# Altium PCB 400432.PcbDoc (part 2 of 6)
Units mil, origin at the board's own origin, x right, y up, seen from the top; angles counter-clockwise.
Board outline 5375 x 2500 mil, 4 copper layers (Top Layer, Mid-Layer 1, Mid-Layer 2, Bottom Layer), stack 59.252 mil thick; 366 components, 253 nets, 1494 pads, 1929 vias.
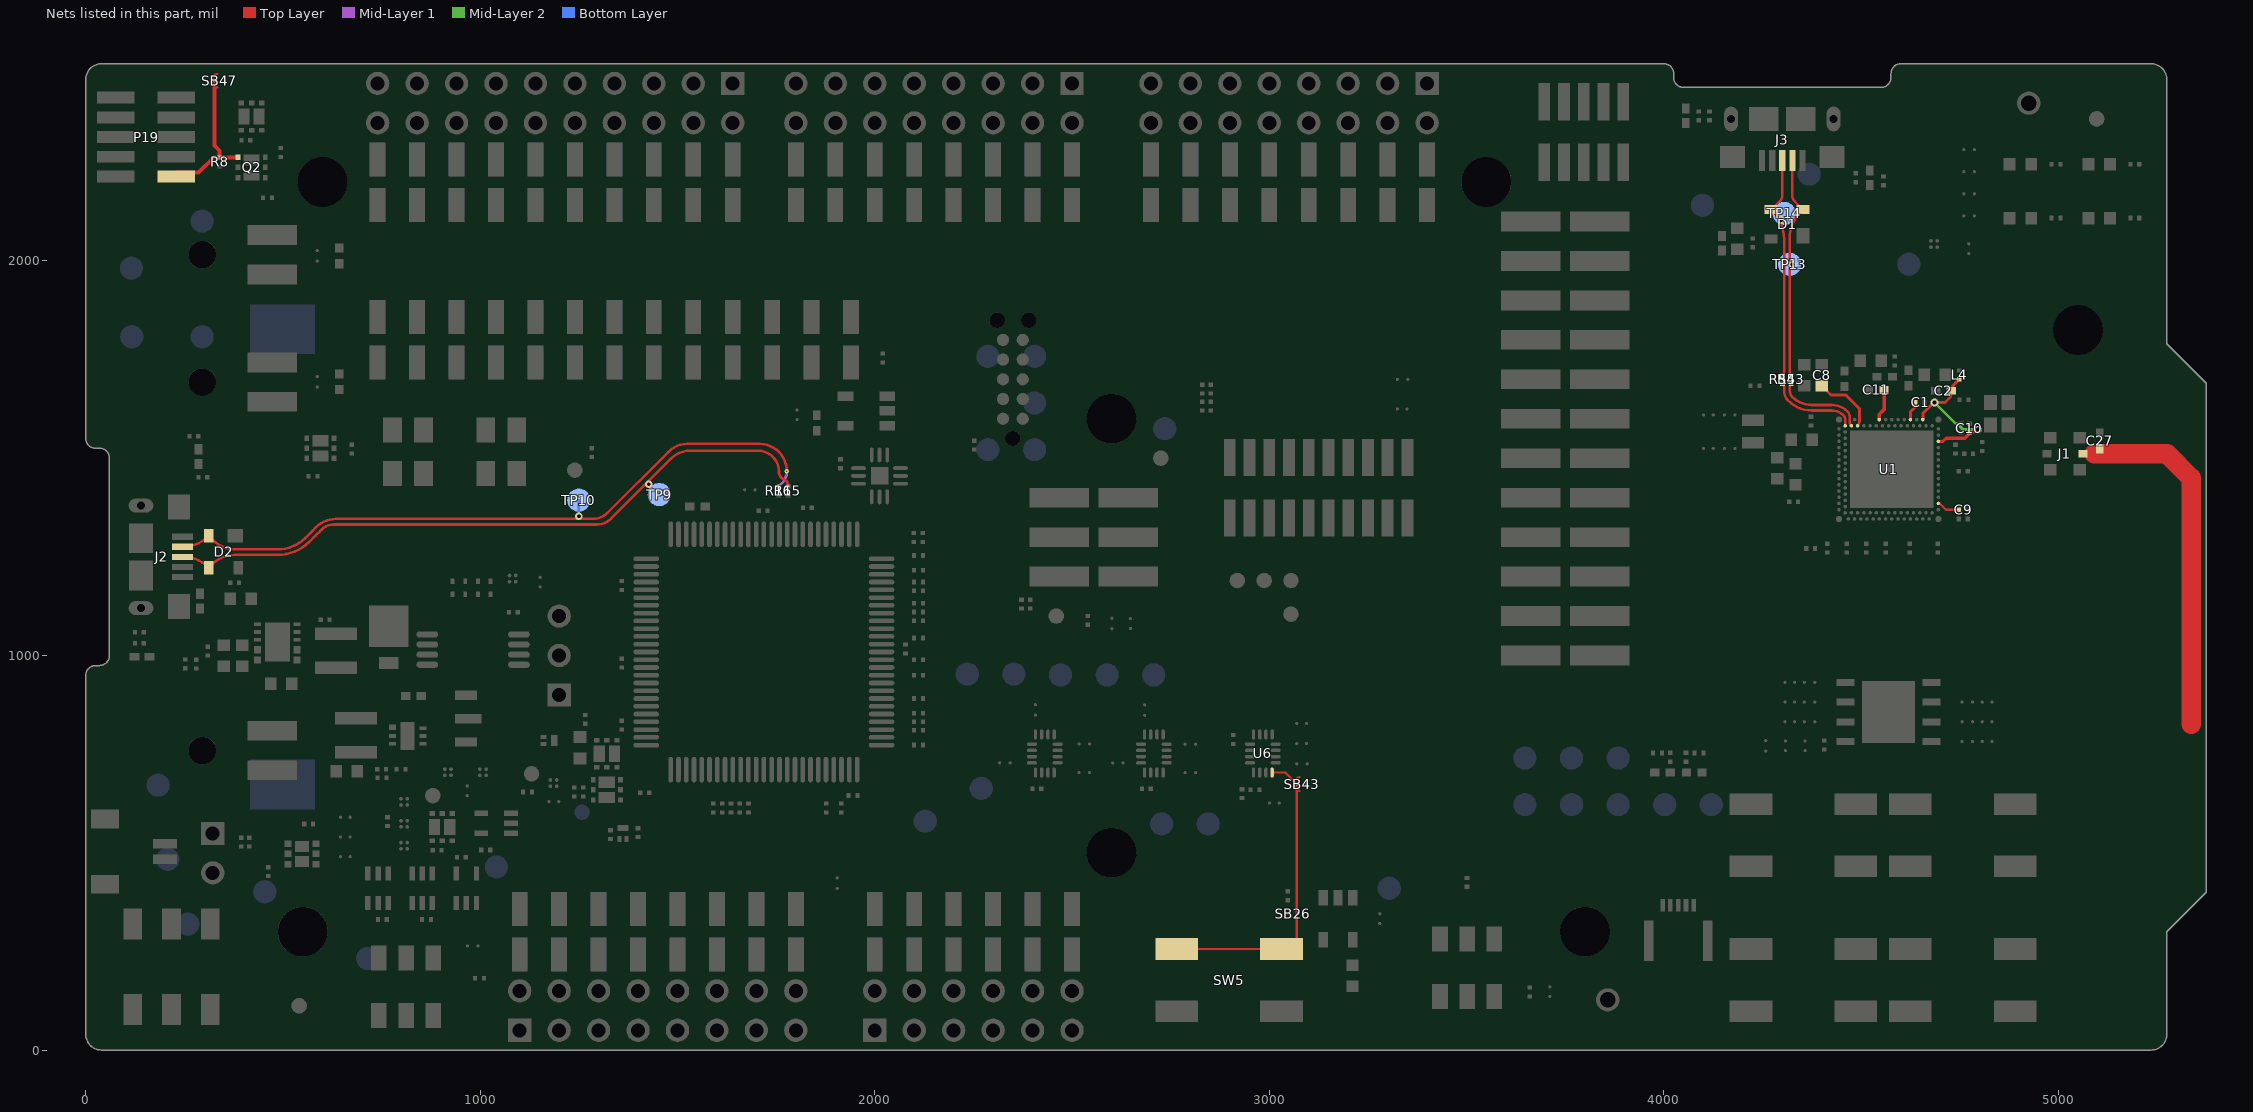
[diagram p4: the nets of this part, all layers, seen from the top]

## Footprints (in the part's own frame and the unit in brackets; to place one, negate y for a bottom-side part, rotate by r counter-clockwise, add the part's x,y. Pads: shape width x height; smd on the part's side, far side on the other; paste and mask are expansions set on the pad) (continued)
USP-6C [mm] "DFN, 6-Leads, Body 2.00x1.80mm, Pitch 0.50mm, Thermal Pad 1.00x1.40mm, IPC Medium Density"
  rect 0.45x0.35 smd paste-0.05: 1(-0.975,0.55)
  rect 0.45x0.25 smd paste-0.05: 2(-0.975,0) 3(-0.975,-0.5) 4(0.975,-0.5) 5(0.975,0) 6(0.975,0.5)
  rect 0.9x1.8 smd paste-2: 7(0,0)
  Top Layer region: -0.5,-0.8 0.5,-0.8 0.5,0.8 -0.5,0.8
  silkscreen extent -1.42,-1.07 0.97,1.12, body extent -0.93,-1.02 0.93,1.02, height 0.6
XQFN40P180X260X50-16N [mm] "QFN, 16-Leads, Body 1.80x2.60mm, Pitch 0.40mm, IPC Medium Density"
  oval 0.65x0.22 smd paste-0.02 mask+0.04: 1(-0.825,0.6) 2(-0.825,0.2) 3(-0.825,-0.2) 4(-0.825,-0.6) 9(0.825,-0.6) 10(0.825,-0.2) 11(0.825,0.2) 12(0.825,0.6)
  oval 0.22x0.65 smd paste-0.02 mask+0.04: 5(-0.6,-1.225) 6(-0.2,-1.225) 7(0.2,-1.225) 8(0.6,-1.225) 13(0.6,1.225) 14(0.2,1.225) 15(-0.2,1.225) 16(-0.6,1.225)
  silkscreen extent -1.45,-1.4 1,1.4, body extent -0.91,-1.31 0.91,1.31, height 0.55
XTAL_2012 [mm] "XTAL SMD 2.0 x 1.2 mm"
  rect 0.75x1.4 smd: 1(-0.725,0) 2(0.725,0)
  silkscreen extent -0.24,-0.6 0.24,0.6, body extent -1,-0.61 1,0.61, height 0.6

## Part data
Bat1: library part "Bat Holder Cabcon L-KLS5-CR2032-23-B1", "Bat Holder CR2032 SMD", Manufacturer=Cabcon, Manufacturer Part Number=L-KLS5-CR2032-23-B1, Part number IPS=N.A., Artikkelnr Noca=N.A., ComponentLink1Description=Datasheet, ComponentLink2Description="Supplier link", Footprint Doc=CR2032_HOLDER, LatestRevisionDate=2019-08-28, Note="Bat Holder CR2032", Part Number="Bat Holder Cabcon L-KLS5-CR2032-23-B1", Pin Count=2, Published=2019-08-28, Publisher="Nordic Semiconductor", Supplier 1=Cabcon, Supplier 2=Mouser, Supplier Part Number 1=L-KLS5-CR2032-23-B1, Supplier Part Number 2=614-SMTU2032-LF
C1 C13 C14 C16 C19 C21 C23 C24 C25 C30 C32 C33 C34 C35 C36 C37 C38 C39 C41 C42 C45 C46 C48 C50 C52 C54 C55 C56 C65 C68 C69 C70 C71: library part C0201-100n, "Capacitor, X5R, ±10%", Part number IPS=00000001248, Artikkelnr Noca=N.A., ComponentLink1Description=Datasheet, ComponentLink2Description="Supplier link", Footprint Doc=0201, LatestRevisionDate=2017-11-09, Note=16V, Part Number=C0201-100n, Pin Count=2, Published=2014-11-13, Publisher="Nordic Semiconductor"
  C48 C52 C55: Assembly=N.C.
C2 C3 C4 C11 C66: library part C0402-1µ0, "Capacitor, X5R, ±5%", Part number IPS=00000007786, Supplier Part Number 1=1276-1444-1-ND, Artikkelnr Noca=20039235, ComponentLink1Description=Datasheet, ComponentLink2Description="Supplier link", Footprint Doc=0402, LatestRevisionDate=2016-08-22, Note=6.3V, Part Number=C0402-1µ0, Pin Count=2, Published=2009-05-08, Publisher="Nordic Semiconductor", Supplier 1=Digi-Key
C5: library part C0402-1µ0, "Capacitor, X5R, ±5%, 6.3V", Part number IPS=00000007786, Supplier Part Number 1=1276-1444-1-ND, Artikkelnr Noca=20039235, ComponentLink1Description=Datasheet, ComponentLink2Description="Supplier link", Footprint Doc=0402, LatestRevisionDate=2016-08-22, Note=6.3V, Part Number=C0402-1µ0, Pin Count=2, Published=2009-05-08, Publisher="Nordic Semiconductor", Supplier 1=Digi-Key
C6: library part C0603-2µ2, "Capacitor, X7R, ±10%", Part number IPS=N.A., Artikkelnr Noca=20039322, ComponentLink1Description=Datasheet, ComponentLink2Description="Supplier link", Footprint Doc=0603, LatestRevisionDate=2016-10-10, Note=6.3V, Part Number=C0603-2µ2, Pin Count=2, Published=2009-05-08, Publisher="Nordic Semiconductor"
C7 C8 C26: library part C0603-4µ7-10V-X7S, "Capacitor, X7S, ±10%", Part number IPS=N.A., Supplier Part Number 1=445-14258-1-ND, Artikkelnr Noca=20030013, ComponentLink1Description=Datasheet, ComponentLink2Description="Supplier link", Footprint Doc=0603, LatestRevisionDate=2016-08-15, Note=10V, Part Number=C0603-4µ7-10V-X7S, Pin Count=2, Published=2016-08-15, Publisher="Nordic Semiconductor", Supplier 1=Digi-Key
C9: library part C0201-820p, "Capacitor, X7R, ±10%", Part number IPS=00000001249, Artikkelnr Noca=N.A., ComponentLink1Description=Datasheet, ComponentLink2Description="Supplier link", Footprint Doc=0201, LatestRevisionDate=2017-11-09, Note=25V, Part Number=C0201-820p, Pin Count=2, Published=2014-11-13, Publisher="Nordic Semiconductor"
C10: library part C0201-100p, "Capacitor, NP0, ±2%", Part number IPS=00000007853, Artikkelnr Noca=N.A., ComponentLink1Description=Datasheet, ComponentLink2Description="Supplier link", Footprint Doc=0201, LatestRevisionDate=2017-11-09, Note=25V, Part Number=C0201-100p, Pin Count=2, Published=2014-11-13, Publisher="Nordic Semiconductor"
C12: library part C0201-0.7p, "Capacitor, NP0, ±0.05pF", Part number IPS=N.A., Artikkelnr Noca=N.A., Assembly=N.C., ComponentLink1Description=Datasheet, ComponentLink2Description="Supplier link", Footprint Doc=0201, LatestRevisionDate=2018-10-22, Note=50V, Part Number=C0201-0.7p, Pin Count=2, Published=2014-11-13, Publisher="Nordic Semiconductor"
C15 C17 C18 C20 C22 C28 C29 C72: library part C0201-N.C., "Not mounted", Part number IPS=N.A., Artikkelnr Noca=N.A., Assembly="Not mounted", ComponentLink1Description=Datasheet, ComponentLink2Description="Supplier link", Footprint Doc=0201, LatestRevisionDate=2014-11-13, Note="Chip Cap", Part Number=C0201-N.C., Pin Count=2, Published=2014-11-13, Publisher="Nordic Semiconductor"
C27: library part C0402-1.2p, "Capacitor, NP0, ±0.1pF", Part number IPS=00000005410, Artikkelnr Noca=20029157, Artikkelnr Simpro=N.A., Footprint Doc=0402, LatestRevisionDate=2011-05-11, Note=50V, Part Number=C0402-1.2p, Pin Count=2, Published=2009-05-08, Publisher="Nordic Semiconductor"
C31 C61: library part C0402-4µ7-10V-X5R, "CAP CER 4.7UF 10V X5R 0402", Manufacturer=Murata, Manufacturer Part Number=GRM155R61A475MEAAD, Part number IPS=N.A., Supplier Part Number 1=490-14306-1-ND, Artikkelnr Noca=N.A., ComponentLink1Description=Datasheet, ComponentLink1URL=http://search.murata.co.jp/Ceramy/image/img/A01X/G101/ENG/GRM155R61A475MEAA-01.pdf, ComponentLink2Description="Supplier link - Digikey", ComponentLink2URL=https://www.digikey.com/product-detail/en/murata-electronics-north-america/GRM155R61A475MEAAD/490-14306-1-ND/6234742, Footprint Doc=0402, HelpURL=https://psearch.en.murata.com/capacitor/product/GRM155R61A475MEAA%23.html, LatestRevisionDate=2018-10-04, Note=10V, Part Number=C0402-4µ7-10V-X5R, Pin Count=2, Published=2018-10-04, Publisher="Nordic Semiconductor", Supplier 1=Digi-Key
C40 C47 C49: library part C0201-10n, "Capacitor, X7R, ±10%", Part number IPS=00000003480, Artikkelnr Noca=N.A., ComponentLink1Description=Datasheet, ComponentLink2Description="Supplier link", Footprint Doc=0201, LatestRevisionDate=2017-11-09, Note=10V, Part Number=C0201-10n, Pin Count=2, Published=2014-11-13, Publisher="Nordic Semiconductor"
  C47: Assembly=N.C.
C43 C44: library part C0402-300p, "Capacitor, NP0, ±5%", Part number IPS=N.A., Supplier Part Number 1=490-3234-1-ND, Artikkelnr Noca=20020004, ComponentLink1Description=Datasheet, ComponentLink2Description="Supplier link", Footprint Doc=0402, LatestRevisionDate=2016-08-25, Note=50V, Part Number=C0402-300p, Pin Count=2, Published=2015-05-29, Publisher="Nordic Semiconductor", Supplier 1=Digi-Key
C51: library part C0603-10µ, "Capacitor, X5R, ±20%", Part number IPS=00000007785, Artikkelnr Noca=20039234, Assembly=N.C., ComponentLink1Description=Datasheet, ComponentLink2Description="Supplier link", Footprint Doc=0603, LatestRevisionDate=2011-01-17, Note=6.3V, Part Number=C0603-10µ, Pin Count=2, Published=2011-01-17, Publisher="Nordic Semiconductor"
C53 C57 C59 C60 C63: library part C0603-10µF-25V, "Capacitor, 0603, 25V, X5R", Part number IPS=N.A., Artikkelnr Noca=20039436, ComponentLink1Description=Datasheet, ComponentLink2Description="Supplier link", Footprint Doc=0603, LatestRevisionDate=2015-02-25, Note=25V, Part Number=C0603-10µF-25V, Pin Count=2, Published=2015-02-25, Publisher="Nordic Semiconductor"
C58: library part C0201-15p, "Chip Cap 0201", Part number IPS=N.A., Artikkelnr Noca=N.A., ComponentLink1Description=Datasheet, ComponentLink2Description="Supplier link", Footprint Doc=0201, LatestRevisionDate=2014-11-13, Note="Chip Cap 1%", Part Number=C0201-15p, Pin Count=2, Published=2014-11-13, Publisher="Nordic Semiconductor"
C62: library part C0201-150p, "Chip Cap 0201", Part number IPS=N.A., Artikkelnr Noca=N.A., ComponentLink1Description=Datasheet, ComponentLink2Description="Supplier link", Footprint Doc=0201, LatestRevisionDate=2014-11-13, Note="Chip Cap 1%", Part Number=C0201-150p, Pin Count=2, Published=2014-11-13, Publisher="Nordic Semiconductor"
C64: library part C0201-470n, "Chip Cap 0201", Part number IPS=N.A., Artikkelnr Noca=N.A., ComponentLink1Description=Datasheet, ComponentLink2Description="Supplier link", Footprint Doc=0201, LatestRevisionDate=2014-11-13, Note="Chip Cap 1%", Part Number=C0201-470n, Pin Count=2, Published=2014-11-13, Publisher="Nordic Semiconductor"
C67: library part C0603-1µ0, "Capacitor, X7R, ±10%", Part number IPS=00000000616, Artikkelnr Noca=20039282, ComponentLink1Description=Datasheet, ComponentLink2Description="Supplier link", Footprint Doc=0603, LatestRevisionDate=2013-06-05, Note=16V, Part Number=C0603-1µ0, Pin Count=2, Published=2009-05-08, Publisher="Nordic Semiconductor"
D1 D2: "Ultra low capacitance double rail-to-rail ESD protection diode", Manufacturer=NXP, Part number IPS=00000009951, Supplier Part Number 1=568-4140-1-ND, Artikkelnr Noca=10069015, ComponentLink1Description=Datasheet, ComponentLink2Description="Supplier link", Footprint Doc=SOT-143B, HelpURL=http://www.farnell.com/datasheets/109718.pdf, LatestRevisionDate=2017-11-09, Manufacturer Part Number=PRTR5V0U2X, Part Number=PRTR5V0U2X, Pin Count=4, Published=2012-06-11, Publisher="Nordic Semiconductor", Supplier 1=Digi-Key, Supplier 2=Farnell, Supplier Part Number 2=152-4157
  D1: Assembly=N.C.
D3 D5 D6 D7: "20V schottky barrier diode, Vf 350 mV @ 100 mA, Ir 2.0 µA @ 10 V, If 500 mA", Manufacturer="ON Semiconductor", Part number IPS=00000009952, Supplier Part Number 1=NSR0620P2T5GOSCT-ND, Artikkelnr Noca=10029169, ComponentLink1Description=Datasheet, ComponentLink2Description="Supplier link", Footprint Doc=SOD-923, HelpURL=http://www.onsemi.com/pub_link/Collateral/NSR0620P2-D.PDF, LatestRevisionDate=2016-07-07, Manufacturer Part Number=NSR0620P2T5G, Part Number=NSR0620P2T5G, Pin Count=2, Published=2016-07-07, Publisher="Nordic Semiconductor", Supplier 1=Digi-Key
D4: "Diode Schottky Vf=0.455V @ 100mA, Vr=10V, If=1000mA, Ir=1µA @ 10V", Manufacturer="ON Semiconductor", Manufacturer Part Number=MBRM110ET1G, Part number IPS=N.A., Supplier Part Number 1=MBRM110ET1GOSTR-ND, Artikkelnr Noca=10029172, ComponentLink1Description=Datasheet, ComponentLink2Description="Supplier link", Footprint Doc=DO-216AA, HelpURL=http://media.digikey.com/pdf/Data%20Sheets/ON%20Semiconductor%20PDFs/MBRM110E-D.pdf, LatestRevisionDate=2016-10-24, Part Number=MBRM110E, Pin Count=2, Published=2016-10-24, Publisher="Nordic Semiconductor", Supplier 1=Digi-Key, Supplier 2=Farnell, Supplier Part Number 2=236-9429
FB1 FB2 FB3 FB4 FB5 FB6: library part FB0402-120R@100M-500mA, "Ferrite Bead, 120 Ohm @ 100MHz, 500mA, 250 mOhm Max", Manufacturer=Murata, Manufacturer Part Number=BLM15AG121SN1D, Part number IPS=00000009954, Supplier Part Number 1=490-1005-1-ND, Artikkelnr Noca=33029317, ComponentLink1Description=Datasheet, ComponentLink2Description="Supplier link", Footprint Doc=0402, HelpURL=http://search.murata.co.jp/Ceramy/image/img/PDF/ENG/L0110S0100BLM15A_SN.pdf, LatestRevisionDate=2014-01-10, Note="Chip EMIFIL Inductor Type Chip Ferrite Bead", Part Number=FB0402-120R@100M-500mA, Pin Count=2, Published=2011-11-14, Publisher="Nordic Semiconductor", Supplier 1=Digi-Key, Supplier 2=Farnell, Supplier Part Number 2=151-5760
  FB1 FB3 FB5: Assembly=N.C.
Fid1 Fid2: library part Fid-Mark, "Fiducial Mark", Part number IPS=N.A., Artikkelnr Noca=N.A., ComponentLink1Description=Datasheet, ComponentLink2Description="Supplier link", Footprint Doc=Fiducial, LatestRevisionDate=2009-12-12, Part Number=Fid-Mark, Pin Count=1, Published=2009-12-12, Publisher="Nordic Semiconductor"
J1: "Coaxial Connector with Switch", 2nd source part number=81-MM8130-2600RA2, Manufacturer=Murata, Supplier part number=490-4981-1-ND, 2nd source Supplier=Mouser, Artikkelnr Noca=55029011, Artikkelnr Simpro=N.A., Datasheet=http://www.murata.com/products/catalog/pdf/o33e.pdf, Footprint Doc=COAXIAL-SWF, LatestRevisionDate=2014-04-24, Manufacturer Part Number=MM8130-2600, Part Number=MM8130-2600, Pin Count=3, Published=2014-04-24, Publisher="Nordic Semiconductor", Supplier=Digi-Key
J2 J3: library part USB-Micro-B-RA-SMD-PiP, "MicroUSB-B-SMT", Manufacturer="Allen Creations Corp.", Manufacturer Part Number=AJU55-BS2111-L, Part number IPS=00000007790, Artikkelnr Noca=55029020, ComponentLink1Description=Datasheet, ComponentLink2Description="Supplier link", Footprint Doc=USB-Micro-B-RA-SMD-PiP, HelpURL="\\hizz\pro\app9717\Datasheet\connectores\Allen Creations Corp\AJU-211.pdf", LatestRevisionDate=2016-04-21, Part Number=USB-Micro-B-RA-SMD-PiP, Pin Count=5, Published=2014-10-07, Publisher="Nordic Semiconductor", Supplier 1=Cabcon, Supplier 2=Digi-Key, Supplier Part Number 1=AJU55-BS2111-L, Supplier Part Number 2=609-4616-1-ND
  J3: Assembly=N.C.
J4: library part TC2050-IDC-NLFP, "CBL PLUG-OF-NAILS 10-PIN", Manufacturer="Tag-Connect LLC", Part number IPS=N.A., Supplier Part Number 1=TC2050-IDC-NL-ND, Artikkelnr Noca=N.A., Assembly="Not mounted", ComponentLink1Description=Datasheet, ComponentLink2Description="Supplier link", Footprint Doc=TC2050-IDC-NLFP, HelpURL=http://www.tag-connect.com/Materials/TC2050-IDC%20Datasheet.pdf, LatestRevisionDate=2012-11-21, Manufacturer Part Number=TC2050-IDC-NLFP, Part Number=TC2050-IDC-NLFP, Pin Count=10, Published=2012-11-21, Publisher="Nordic Semiconductor", Supplier 1=Digi-Key
J5: library part FPC_05P-0.5mm-RA-SMD, "0.5mm FPC, 5P,Right Angle SMT,Double Contact,H=1.2mm,White, Tin plated", Manufacturer=W-CON, Manufacturer Part Number=5141-05RZDNWR01, Part number IPS=00000007792, Artikkelnr Noca=55010020, ComponentLink1Description=Datasheet, ComponentLink2Description="Supplier link", Footprint Doc=FPC_05P-0.5mm-RA-SMD, HelpURL=\\hizz\pro\app9717\Datasheet\connectores\W-CON\5141-XXRZDNXX0X.pdf, LatestRevisionDate=2016-04-21, Part Number=FPC_05P-0.5mm-RA-SMD, Pin Count=7, Published=2015-06-22, Publisher="Nordic Semiconductor", Supplier 1=Cabcon, Supplier 2=Digi-Key, Supplier Part Number 1=5141-05RZDNWR01, Supplier Part Number 2=WM9836CT-ND
J6: library part SM02B-SRSS-TB, "1.0mm pitch connector side entry SMD", Manufacturer=JST, Manufacturer Part Number=SM02B-SRSS-TB(LF)(SN), Part number IPS=00000007791, Supplier Part Number 1=455-1802-1-ND, Artikkelnr Noca=55010030, ComponentLink1Description=Datasheet, ComponentLink2Description="Supplier link", Footprint Doc=SM02B-SRSS-TB, HelpURL=http://www.jst-mfg.com/product/pdf/eng/eSH.pdf, LatestRevisionDate=2016-06-20, Note="JST, Header", Part Number=SM02B-SRSS-TB, Pin Count=2, Published=2016-06-20, Publisher="Nordic Semiconductor", Supplier 1=Digi-Key
L1 L3 L5: library part L0603-10µ-TDK, "Inductor, 250mA, ±20%, 1.05ohm. -55°C ~ 125°C", Manufacturer=TDK, Manufacturer Part Number=MLZ1608M100WTD25, Supplier Part Number 1=445-175588-1-ND, ComponentLink1Description=Datasheet, ComponentLink2Description="Supplier link", Footprint Doc=0603, HelpURL=https://product.tdk.com/info/en/catalog/datasheets/inductor_automotive_decoupling_mlz1608_en.pdf, LatestRevisionDate=2012-09-19, Part Number=L0603-10µ-TDK, Pin Count=2, Published=2019-05-06, Publisher="Nordic Semiconductor", Supplier 1=Digi-Key, Supplier 2=Mouser, Supplier Part Number 2=810-MLZ1608M100WTD25
L2 L4: library part L0201-15n, "Inductor, 250mA, ±5%", Manufacturer=Murata, Manufacturer Part Number=LQP03TN15NJ02D, Part number IPS=N.A., Supplier Part Number 1=490-5570-1-ND, Artikkelnr Noca=N.A., ComponentLink1Description=Datasheet, ComponentLink1URL=http://search.murata.co.jp/Ceramy/image/img/P02/JELF243C-0015.pdf, ComponentLink2Description="Supplier link", Footprint Doc=0201, LatestRevisionDate=2013-04-10, Note="High frequency chip inductor ±10%", Part Number=L0201-15n, Pin Count=2, Published=2013-04-10, Publisher="Nordic Semiconductor", Supplier 1=Digi-Key
L6: library part NR3015-4µ7-1.04A-144mOhm, "Ferrite Inductor, Shielded, 1,04A, 144mOhm", Manufacturer="Taiyo Yuden", Manufacturer Part Number=NR3015T4R7M, Part number IPS=00000009960, Supplier Part Number 1=587-1649-1-ND, Artikkelnr Noca=33029551, ComponentLink1Description=Datasheet, ComponentLink2Description="Supplier link", Footprint Doc=1212, HelpURL=http://www.yuden.co.jp/ut/product/category/inductor/NR3015T4R7M.pdf, LatestRevisionDate=2014-01-22, Part Number=NR3015-4µ7-1.04A-144mOhm, Pin Count=2, Published=2014-01-22, Publisher="Nordic Semiconductor", Supplier 1=Digi-Key, Supplier 2=Mouser, Supplier Part Number 2=963-NR3015T4R7M
L7: library part NR3015-2µ2-1.5A-72mOhm, "Ferrite Inductor, Shielded, 1,5A, 72mOhm", Manufacturer="Taiyo Yuden", Manufacturer Part Number=NR3015T2R2M, Part number IPS=N.A., Supplier Part Number 1=587-1648-1-ND, Artikkelnr Noca=33029487, ComponentLink1Description=Datasheet, ComponentLink2Description="Supplier link", Footprint Doc=1212, HelpURL=http://www.yuden.co.jp/ut/product/category/inductor/NR3015T2R2M.pdf, LatestRevisionDate=2014-01-22, Part Number=NR3015-2µ2-1.5A-72mOhm, Pin Count=2, Published=2014-01-22, Publisher="Nordic Semiconductor", Supplier 1=Digi-Key, Supplier 2=Farnell, Supplier Part Number 2=188-5853
L8 R20 R24 R29 R43 R46 R53 R54: library part R0201-0R, "Resistor, ±5%, 0.05W", Part number IPS=00000003245, Artikkelnr Noca=N.A., ComponentLink1Description=Datasheet, ComponentLink2Description="Supplier link", Footprint Doc=0201, LatestRevisionDate=2017-11-09, Note="Chip Res 5%", Part Number=R0201-0R, Pin Count=2, Published=2014-11-13, Publisher="Nordic Semiconductor"
  R53 R54: Assembly=N.C.
LED1 LED2 LED3 LED4: library part "VS 25C7M5", "LED, Green, 0603, 573nm, Vf=2.0V, 24mcd, - 40 to +85°C", Manufacturer="Victory Electronics", Part number IPS=N.A., Artikkelnr Noca=13019193, ComponentLink1Description=Datasheet, ComponentLink2Description="Supplier link", Footprint Doc=0603, HelpURL="\\hizz\pro\app9717\Datasheet\optoelectronics\Victory Electronics\VS 25C7M5.pdf", LatestRevisionDate=2017-08-21, Manufacturer Part Number="VS 25C7M5", Part Number="VS 25C7M5", Pin Count=2, Published=2017-08-21, Publisher="Nordic Semiconductor", Supplier 1="EC Partner"
LED5: library part "LG L29K Smartled Green", "LED, Green, 0603, 570nm, Vf=1.7V, 2.24..5.6mcd, - 40 to +100°C", Manufacturer=Osram, Manufacturer Part Number="LG L29K-G2J1-24-Z", Part number IPS=N.A., Supplier Part Number 1=475-2709-1-ND, Artikkelnr Noca=13019147, ComponentLink1Description=Datasheet, ComponentLink2Description="Supplier link", Footprint Doc=0603, HelpURL=http://www.osram-os.com/Graphics/XPic2/00077107_0.pdf, LatestRevisionDate=2017-08-21, Note="2.24..5.6 mcd, Vfmin=1.7V", Part Number="LG L29K Smartled Green", Pin Count=2, Published=2014-10-28, Publisher="Nordic Semiconductor", Supplier 1=Digi-Key, Supplier 2=Mouser, Supplier Part Number 2=720-LGL29KG2J124Z
P1 P3 P6: library part "Socket 1x8 SMD", "Socket 1x8, 2.54mm (100mil), SMD", Manufacturer=W-CON, Manufacturer Part Number=2171-108MS0CUNR1, Part number IPS=00000009963, Artikkelnr Noca=55030002, ComponentLink1Description=Datasheet, ComponentLink2Description="Supplier link", Footprint Doc=SOCKET_1x8_SMD, LatestRevisionDate=2017-10-23, Part Number="Socket 1x8 SMD", Pin Count=8, Published=2016-01-22, Publisher="Nordic Semiconductor", Supplier 1=Cabcon, Supplier 2=Samtec, Supplier Part Number 1=2171-108MS0CUNR1, Supplier Part Number 2=SSM-108-F-SV-P-TR
P2: library part "Socket 1x6 SMD", "Socket 1x6, 2.54mm (100mil), SMD", Manufacturer=W-CON, Manufacturer Part Number=2171-106MS0CUNR1, Part number IPS=00000009964, Artikkelnr Noca=55030001, ComponentLink1Description=Datasheet, ComponentLink2Description="Supplier link", Footprint Doc=SOCKET_1x6_SMD, LatestRevisionDate=2017-10-23, Part Number="Socket 1x6 SMD", Pin Count=6, Published=2016-01-22, Publisher="Nordic Semiconductor", Supplier 1=Cabcon, Supplier 2=Samtec, Supplier Part Number 1=2171-106MS0CUNR1, Supplier Part Number 2=SSM-106-F-SV-P-TR
P4: library part "Socket 1x10 SMD", "Socket 1x10, 2.54mm (100mil), SMD", Manufacturer=W-CON, Manufacturer Part Number=2171-110MS0CUNR1, Part number IPS=00000009965, Artikkelnr Noca=55030004, ComponentLink1Description=Datasheet, ComponentLink2Description="Supplier link", Footprint Doc=SOCKET_1x10_SMD, LatestRevisionDate=2016-01-22, Part Number="Socket 1x10 SMD", Pin Count=10, Published=2016-01-22, Publisher="Nordic Semiconductor", Supplier 1=Cabcon, Supplier 2=Samtec, Supplier Part Number 1=2171-110MS0CUNR1, Supplier Part Number 2=SSM-110-F-SV-P-TR
P5: library part "Pin Header 2x3 SMD", "Pin Header 2x3, 2.54mm (100mil) SMD", Manufacturer=W-CON, Manufacturer Part Number=1125-1203S0M116R1, Part number IPS=00000009966, Artikkelnr Noca=55010007, ComponentLink1Description=Datasheet, ComponentLink2Description="Supplier link", Footprint Doc=HDR_2x3-SMD, HelpURL=\\hizz\pro\app9717\Datasheet\connectores\W-CON\1125-12XXXXMXXXXX.PDF, LatestRevisionDate=2016-01-22, Note=SMD, Part Number="Pin Header 2x3 SMD", Pin Count=6, Published=2016-01-22, Publisher="Nordic Semiconductor", Supplier 1=Cabcon, Supplier 2=Samtec, Supplier Part Number 1=1125-1203S0M116R1, Supplier Part Number 2=TSM-103-01-L-DV
P7 P9 P12: library part "Pin List 1x8 SMD, N.C.", "Pin List 1x8, 2.54mm (100mil), SMD", Manufacturer=W-CON, Manufacturer Part Number=1125-1108S0M116R2, Part number IPS=N.A., Artikkelnr Noca=55010006, Assembly="Not mounted", ComponentLink1Description=Datasheet, ComponentLink2Description="Supplier link", Footprint Doc=LIST_1x8_SMD, HelpURL=\\hizz\pro\app9717\Datasheet\connectores\W-CON\1125-11XXXXMXXXXX.pdf, LatestRevisionDate=2016-01-22, Part Number="Pin List 1x8 SMD, N.C.", Pin Count=8, Published=2016-01-22, Publisher="Nordic Semiconductor", Supplier 1=Cabcon, Supplier 2=Samtec, Supplier Part Number 1=1125-1108S0M116R2, Supplier Part Number 2=TSM-108-01-L-SV-P-TR
P8: library part "Pin List 1x6 SMD, N.C.", "Pin List 1x6, 2.54mm (100mil), SMD", Manufacturer=W-CON, Manufacturer Part Number=1125-1106S0M116R2, Part number IPS=N.A., Artikkelnr Noca=55010026, Assembly="Not mounted", ComponentLink1Description=Datasheet, ComponentLink2Description="Supplier link", Footprint Doc=LIST_1x6_SMD, HelpURL=\\hizz\pro\app9717\Datasheet\connectores\W-CON\1125-11XXXXMXXXXX.pdf, LatestRevisionDate=2016-03-29, Part Number="Pin List 1x6 SMD, N.C.", Pin Count=6, Published=2016-03-29, Publisher="Nordic Semiconductor", Supplier 1=Cabcon, Supplier 2=Samtec, Supplier Part Number 1=1125-1106S0M116R2, Supplier Part Number 2=TSM-106-01-L-SV-P-TR
P10: library part "Pin List 1x10 SMD, N.C.", "Pin List 1x10, 2.54mm (100mil), SMD", Manufacturer=W-CON, Manufacturer Part Number=1125-1110S0M116R2, Part number IPS=N.A., Artikkelnr Noca=55010028, Assembly="Not mounted", ComponentLink1Description=Datasheet, ComponentLink2Description="Supplier link", Footprint Doc=LIST_1x10_SMD, HelpURL=\\hizz\pro\app9717\Datasheet\connectores\W-CON\1125-11XXXXMXXXXX.pdf, LatestRevisionDate=2016-03-29, Part Number="Pin List 1x10 SMD, N.C.", Pin Count=10, Published=2016-03-29, Publisher="Nordic Semiconductor", Supplier 1=Cabcon, Supplier 2=Samtec, Supplier Part Number 1=1125-1110S0M116R2, Supplier Part Number 2=TSM-110-01-L-SV-P-TR
P11: library part "Socket 2x3 SMD Bottom, N.C.", "Socket 2x3, 2.54mm (100mil), SMD", Manufacturer=W-CON, Manufacturer Part Number=2171-203MS0CUNR1, Part number IPS=N.A., Artikkelnr Noca=55030010, Assembly="Not mounted", ComponentLink1Description=Datasheet, ComponentLink2Description="Supplier link", Footprint Doc=SOCKET_2x3_SMD-2.54mm-bottom, HelpURL=\\hizz\pro\app9717\Datasheet\connectores\W-CON\2171-2XXMXXCUNXX.pdf, LatestRevisionDate=2016-03-29, Part Number="Socket 2x3 SMD Bottom, N.C.", Pin Count=6, Published=2014-06-10, Publisher="Nordic Semiconductor", Supplier 1=Cabcon, Supplier 2=Samtec, Supplier Part Number 1=2171-203MS0CUNR1, Supplier Part Number 2=SSM-103-F-DV-P-TR
P13 P15 P17: library part "Pin Header 2x8, N.C.", "Pin Header 2x8, 2.54mm (100mil)", Part number IPS=N.A., Artikkelnr Noca=N.A., Assembly="Not mounted", ComponentLink1Description=Datasheet, ComponentLink2Description="Supplier link", Footprint Doc=HDR_2x8, LatestRevisionDate=2009-12-12, Part Number="Pin Header 2x8, N.C.", Pin Count=16, Published=2009-12-12, Publisher="Nordic Semiconductor"
P14: library part "Pin Header 2x6, N.C.", "Pin Header 2x6, 2.54mm (100mil)", Part number IPS=N.A., Artikkelnr Noca=N.A., Assembly="Not mounted", ComponentLink1Description=Datasheet, ComponentLink2Description="Supplier link", Footprint Doc=HDR_2x6, LatestRevisionDate=2014-07-04, Part Number="Pin Header 2x6, N.C.", Pin Count=12, Published=2009-12-12, Publisher="Nordic Semiconductor"
P16: library part "Pin Header 2x10, N.C.", "Pin Header 2x10, 2.54mm (100mil)", Part number IPS=N.A., Artikkelnr Noca=N.A., Assembly="Not mounted", ComponentLink1Description=Datasheet, ComponentLink2Description="Supplier link", Footprint Doc=HDR_2x10, LatestRevisionDate=2017-02-02, Part Number="Pin Header 2x10, N.C.", Pin Count=20, Published=2017-01-30, Publisher="Nordic Semiconductor"
P18 P19: library part "Pin Header 2x5 SMD, 1.27mm, KS", "Pin Header 2x5, 1.27mm (50mil), SMD, Keying Shroud", Manufacturer=W-CON, Manufacturer Part Number=3132-10MS0BK00R1, Part number IPS=00000009968, Artikkelnr Noca=55010009, ComponentLink1Description=Datasheet, ComponentLink2Description="Supplier link", Footprint Doc=HDR_2x5-SMD-1.27mm, HelpURL=\\hizz\pro\app9717\Datasheet\connectores\W-CON\3132-XXMXXBK00XX.pdf, LatestRevisionDate=2016-04-21, Part Number="Pin Header 2x5 SMD, 1.27mm, KS", Pin Count=10, Published=2016-01-22, Publisher="Nordic Semiconductor", Supplier 1=Cabcon, Supplier 2=Samtec, Supplier Part Number 1=3132-10MS0BK00R1, Supplier Part Number 2=FTSH-105-01-F-DV-K
P20: library part "Pin List 1x13 SMD", "Pin List 1x13, 2.54mm (100mil), SMD", Part number IPS=N.A., Supplier Part Number 1=TSM-113-01-L-SV-P-TR, Artikkelnr Noca=N.A., ComponentLink1Description=Datasheet, ComponentLink2Description="Supplier link", Footprint Doc=LIST_1x13_SMD, LatestRevisionDate=2015-11-10, Part Number="Pin List 1x13 SMD", Pin Count=13, Published=2015-11-10, Publisher="Nordic Semiconductor", Supplier 1=Samtec
P21 P22 P23: library part "Pin List Ang 1x2 SMD, 2.54mm", "Pin List 1x2, 2.54mm (100mil), Right Angled, SMD", Manufacturer=W-CON, Manufacturer Part Number=1125B-1102S0Z135R2, Part number IPS=00000009972, Artikkelnr Noca=55010023, ComponentLink1Description=Datasheet, ComponentLink2Description="Supplier link", Footprint Doc=LIST_ANG_1x2-SMD-2.54MM, HelpURL=\\hizz\pro\app9717\Datasheet\connectores\W-CON\1125B-11XXXXZXXXXX.pdf, LatestRevisionDate=2016-05-26, Part Number="Pin List Ang 1x2 SMD, 2.54mm", Pin Count=2, Published=2016-01-22, Publisher="Nordic Semiconductor", Supplier 1=Cabcon, Supplier 2=Samtec, Supplier Part Number 1=1125B-1102S0Z135R2, Supplier Part Number 2=TSM-102-01-L-SH-A